# KiCad board PC110.kicad_pcb (continued)
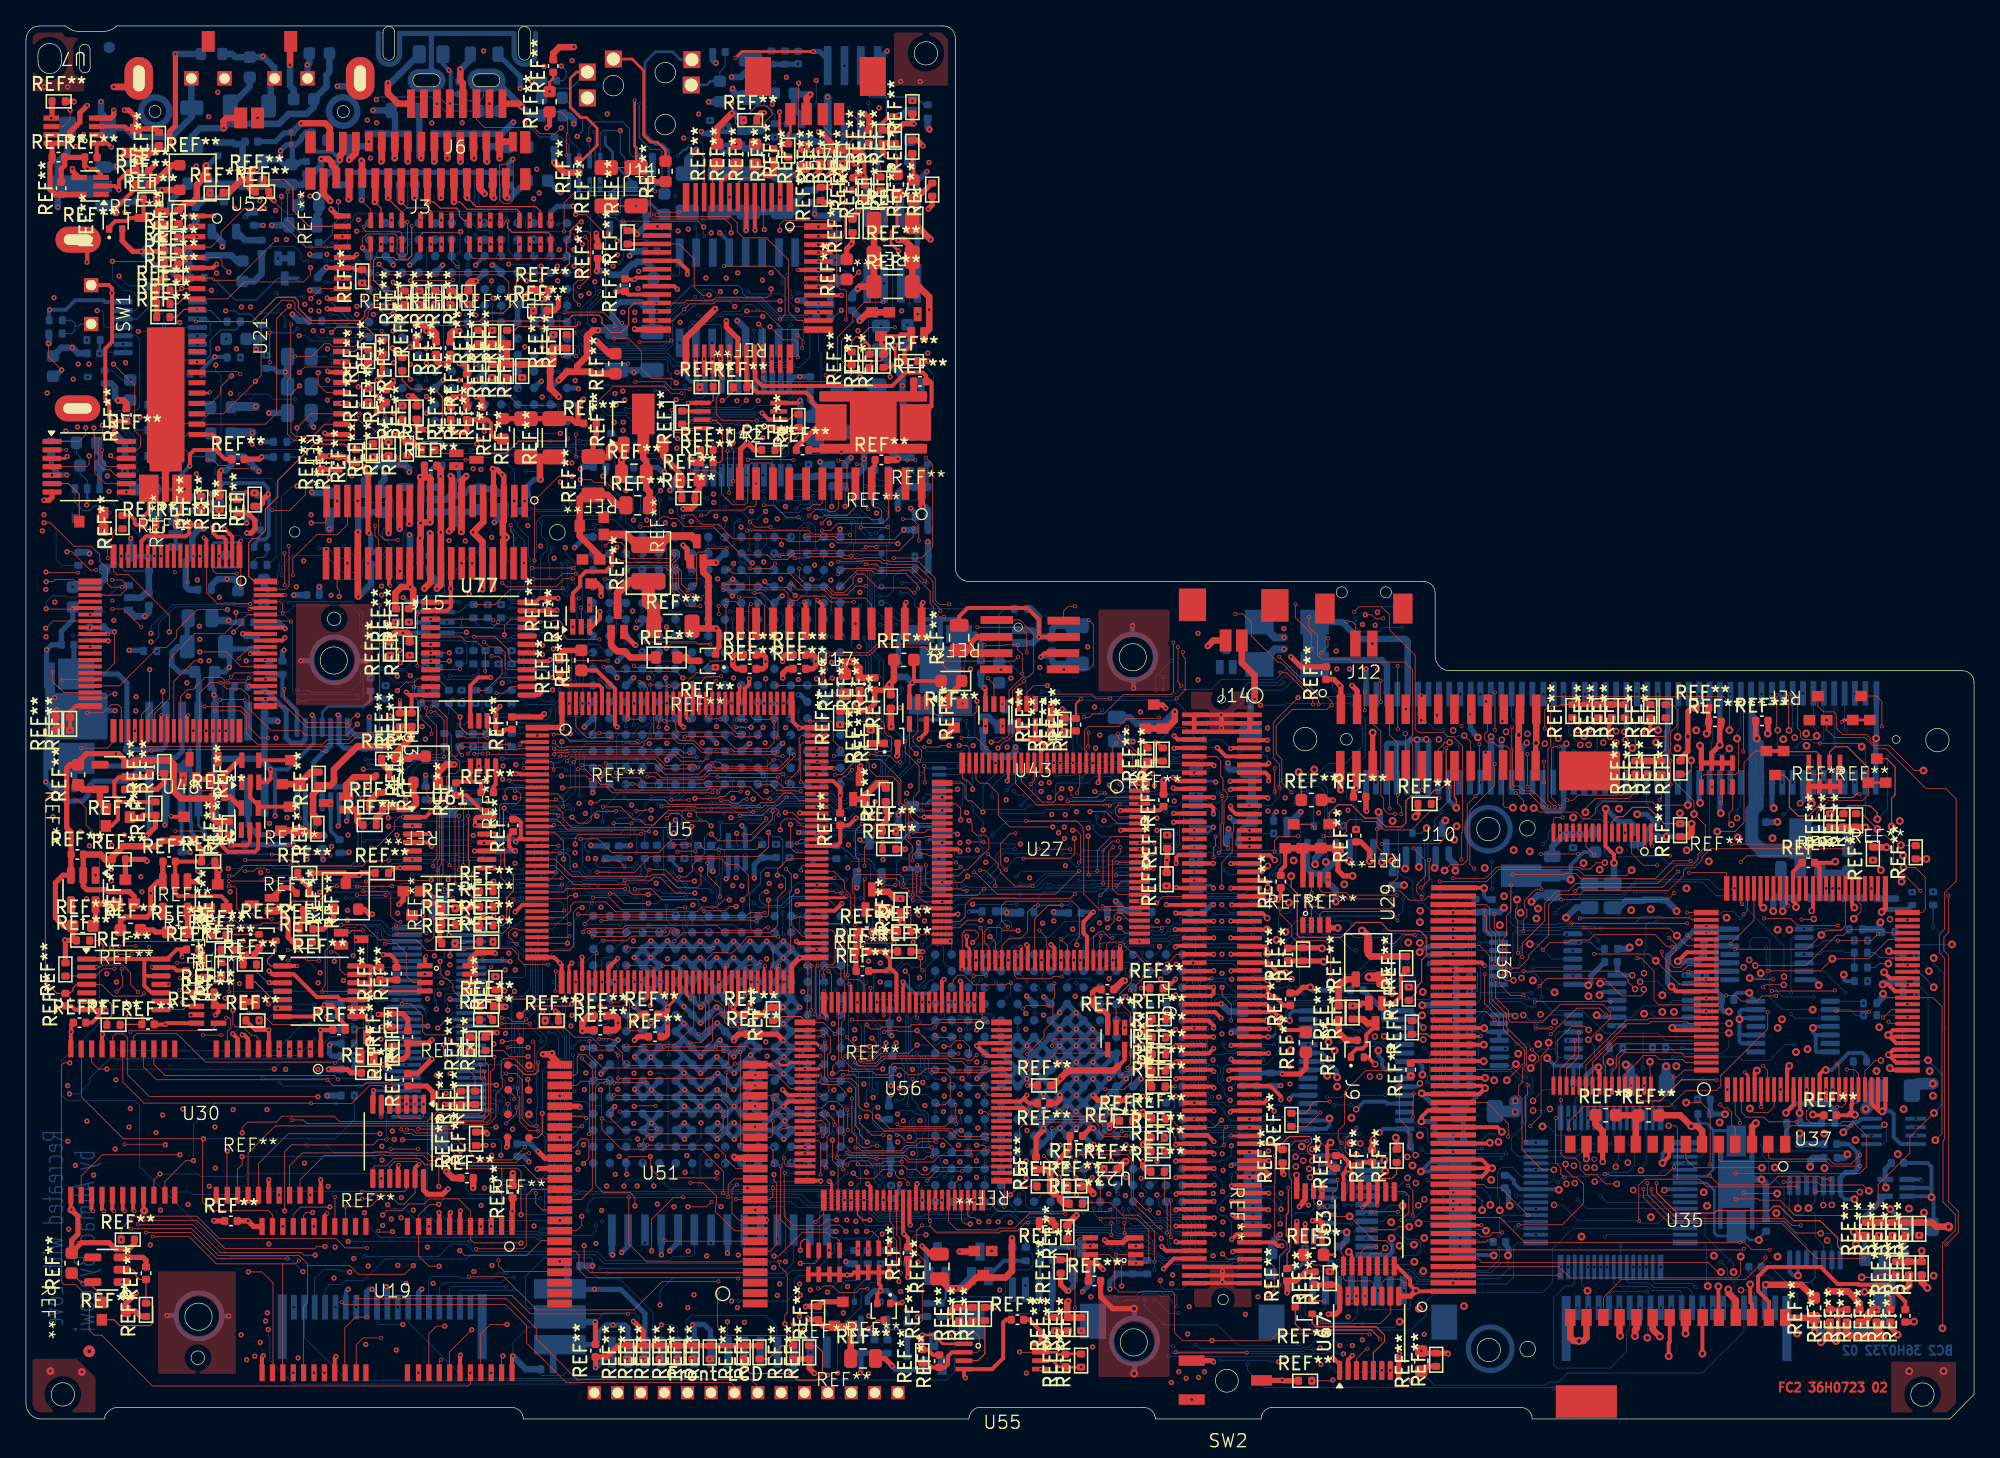
[diagram p0: board, top side]
## Routing (per net, layer and track width the routed paths; a pad name or vN(x,y) marks a point on that pad's centre or on a via; arc(x,y) is an arc through that point) (continued)
80.06,62.78 v2(71.12,62.78) ; v1(7.94,22.49) 8.68,23.23 8.68,32.03 8.15,32.56 8.15,34.69 8.9,35.44 8.9,38.25 8.56,38.59 8.56,40.84 9.98,42.26 9.98,47.44 11.41,48.87 11.41,52.87 12.17,53.63 12.26,53.63 13.1,54.47 13.1,54.99 13.36,55.25 13.85,55.25 v2(14.53,54.57) ; v2(103.14,9.46) 102.74,9.07 v2(100,9.07) ; v2(30.15,58.04) 30.72,58.04 31.24,57.52 v2(31.24,54.9) ; v1(8.65,83.81) 9.26,83.81 9.36,83.71 9.36,72.17 8.62,71.43 v2(7.73,71.43) ; v1(93.93,8.07) 91.45,8.07 90.62,8.9 90.62,10.95 88.18,13.39 v2(88.18,14.01) ; v1(28.14,15.41) 28.14,15.89 28.05,15.98 27.85,15.98 27.48,16.35 27.48,17.33 27.43,17.38 27.43,18.47 v2(27.37,18.53) ; v2(92.13,48.01) 92.2,48.08 93.1,48.08 93.79,48.77 96.03,48.77 96.36,49.1 96.69,49.1 96.83,48.96 100.79,48.96 101.08,49.25 109.34,49.25 109.73,49.64 121.27,49.64 121.45,49.82 125.76,49.82 v2(126.68,48.9) ; v2(46.89,40.84) 46.18,40.84 v2(46.16,40.86) ; v2(109.93,21.88) 110.61,22.56 115.86,22.56 v2(115.87,22.57) ; v2(64.41,45.85) 63.84,45.85 63.57,46.12 63.57,49 62.99,49.58 62.99,50.12 62.53,50.58 62.53,51.39 62.43,51.49 62.43,53.13 62.18,53.38 62.18,53.78 62.43,54.03 62.43,54.65 62.59,54.81 62.59,59.58 61.81,60.36 v2(56.89,60.36) ; v2(111.65,47.99) 110.78,47.99 110.66,47.87 v2(108.87,47.87) ; v2(61.05,91.88) 62.62,91.88 62.98,92.24 62.98,93.66 63.53,94.21 v2(64.27,94.21) ; v2(44.65,25.9) 44.65,26.13 44.72,26.2 44.72,29.5 43.83,30.39 43.83,32.92 42.73,34.02 40.17,34.02 39.89,34.3 39.89,37.16 40.25,37.52 42.89,37.52 v2(42.9,37.51) ; v2(105.46,46.63) 105.49,46.63 106.87,45.25 v2(106.87,43.98) ; v2(88.18,16.85) 87.26,17.77 84.07,17.77 83.79,18.05 80.84,18.05 80.51,18.38 80.01,18.38 79.85,18.22 77.33,18.22 76.85,17.74 75.67,17.74 75.43,17.5 72.94,17.5 72.55,17.11 v2(72.55,16.86) ; v2(59.93,98.03) 59.93,97.18 59.49,96.74 58.32,96.74 58.09,96.51 v2(58.09,94.15) ; v2(100.43,11.36) 101.38,11.36 101.83,10.91 v2(101.83,9.46) ; v1(59.65,9.53) 60.67,9.53 60.68,9.54 60.88,9.54 61.32,9.98 61.32,10.47 61.86,11.02 v2(61.86,12.99) ; v2(138.98,46.64) 138.21,46.64 138.15,46.7 135.8,46.7 135.43,47.07 v3(134.63,47.07) ; v2(25.63,77.34) 23.41,77.34 22.08,78.67 22.08,80.33 20.98,81.43 v2(18.78,81.43) ; v1(39.77,78.76) 39.77,76.04 40.55,75.26 43.23,75.26 43.65,74.84 43.65,68.28 v2(44.64,67.29) ; v2(16.89,42.22) 16.89,40.65 18.15,39.39 18.15,34.8 18.28,34.67 18.28,33.24 18.27,33.23 19.4,32.1 v2(19.4,31.66) ; v2(111.95,51.99) 112,52.04 112.84,52.04 113.27,52.47 113.27,52.71 113.44,52.88 113.44,53.25 113.72,53.53 v2(113.72,53.77) ; v2(37.2,51.99) 37.75,52.54 38.54,52.54 38.92,52.16 v2(40.66,52.16) ; v2(15.63,41.45) 15.38,41.45 15.15,41.22 15.15,34.26 v2(14.58,33.69) ; v2(42.86,55.15) 42.86,57.17 43.36,57.67 43.36,61.45 43.42,61.51 v2(43.42,62.75) ; v2(48.5,24.13) 48.5,24.65 48.79,24.94 48.79,28.85 47.64,30 v2(47.64,32.28) ; v2(58.9,36.01) 60.03,36.01 60.51,35.53 v2(60.51,34.92) ; v2(29.5,61.41) 29.73,61.64 v2(31.18,61.64) ; v2(58.09,81.7) 58.09,79.97 58.7,79.36 59.71,79.36 60.27,78.8 60.27,73.11 61.59,71.79 61.59,70.09 62.27,69.41 62.27,68.75 62.19,68.67 62.19,67.9 62.56,67.53 v2(62.56,66.06) ; v1(42.04,73.68) 42.85,73.68 43.15,73.38 43.15,71.63 42.85,71.33 42.85,67.04 41.65,65.84 41.65,64.46 42.38,63.73 42.49,63.73 43.02,63.2 43.02,61.07 ; v2(32.9,87.79) 33.73,86.96 33.73,86.21 33.47,85.95 33.47,85.72 32.9,85.15 32.9,83.18 31.49,81.77 29.39,81.77 27.72,80.1 27.72,79.79 27.17,79.24 26.94,79.24 26.36,78.66 v2(26.36,78.35) ; v1(36.03,38.76) 36.34,38.45 36.34,36.6 35.51,35.77 35.51,31.37 v2(35.69,31.19) ; v2(126.81,36.39) 127.06,36.14 128.13,36.14 130,34.27 130,33.6 v2(130.96,32.64) ; v2(141.24,48.15) 141.24,45.28 143.12,43.4 v3(144.59,43.4) ; v2(28.79,65.32) 28.4,64.93 28.01,64.93 27.9,64.82 21.52,64.82 v1(20.83,64.13) ; v2(60.91,48.17) 60.91,48.6 60.09,49.42 57.93,49.42 v2(57.91,49.44) ; v2(50.95,75.42) 51.01,75.48 v2(51.01,78.31) ; v2(63.22,29.42) 62.55,29.42 v2(62.31,29.66) ; v2(28.79,55.38) 30.47,55.38 v2(30.52,55.33) ; v2(97.99,44.9) 97.99,45.82 98.62,46.45 98.62,47.74 97.71,48.65 v2(96.54,48.65) ; v2(61.23,23.5) 61.45,23.72 61.45,25.57 61.22,25.8 60.87,25.8 60.6,26.07 60.6,30.74 60.48,30.86 v2(60.48,31.51) ; v2(136.71,14.92) 137.53,14.92 v5(139.1,16.49) ; v2(63.56,66.53) 63.56,65.17 63.47,65.08 63.47,60.22 v1(64.18,59.51) ; v2(20.53,41.45) 20.53,40.44 21.31,39.66 25.46,39.66 25.99,40.19 v2(25.99,40.67) ; v1(4.76,36.19) 4.76,36.72 5.2,37.16 5.2,41.74 v2(5.36,41.9) ; v2(58.29,51.09) 58.73,50.65 60.94,50.65 v2(60.96,50.63) ; v2(67.34,50.63) 67.68,50.63 67.78,50.73 v2(68.8,50.73) ; v2(43.48,52.84) 43.5,52.82 v2(43.5,49.22) ; v2(106.83,15.65) 104.94,15.65 104.71,15.42 104.71,13.85 105.15,13.41 105.15,7.02 v2(104.31,6.18) ; v2(116.83,36.16) 115.17,36.16 115.07,36.26 109.32,36.26 108.13,37.45 108.13,39.61 v2(107.5,40.24) ; v2(41.47,39.19) 41.76,39.19 42.06,38.89 v2(42.52,38.89) ; v2(124.89,18.17) 124.89,18.44 125.04,18.59 125.04,21.02 121.33,24.73 118.8,24.73 118.38,25.15 118.38,33.56 118.13,33.81 118.13,37.55 117.55,38.13 117.55,46.57 117.31,46.81 v2(117.31,47.17) ; v2(116.98,53.21) 114.78,53.21 114.45,52.88 114.45,52.28 113.86,51.69 v2(109.4,51.69) ; v1(6.61,44.23) 7.32,44.23 8.16,43.39 v2(8.16,35.85) ; v2(7.53,36.78) 7.53,35.64 8,35.17 8,32.18 8.48,31.7 8.48,30.79 7.59,29.9 v2(7.59,21.17) ; v2(59.46,81.82) 60.7,80.58 60.7,73.19 62.54,71.35 62.54,69.73 62.85,69.42 62.86,69.42 63.18,69.1 63.18,67.29 62.89,67 62.89,60.51 62.77,60.39 62.77,57.63 63.08,57.32 v2(63.08,55.85) 62.87,55.64 62.87,53.67 v2(62.71,53.51) ; 43.02,61.07 43,61.05 v2(42.12,61.05) ; 43.02,61.07 43.02,58.48 42.35,57.81 v2(41.88,57.81) ; v2(33.62,51.78) 33.62,52.92 32.93,53.61 31.32,53.61 31.06,53.35 v1(30.52,53.35) ; v1(22.83,83.85) 22.83,83.29 23.09,83.03 23.96,83.03 24.14,82.85 27.59,82.85 27.93,83.19 30.97,83.19 31.82,84.04 31.82,85.2 32.12,85.5 32.12,85.79 32.23,85.9 v2(32.7,85.9) ; v2(59.25,66.35) 59.25,66.94 59.13,67.06 59.13,69.57 59.31,69.75 59.31,73.26 59.43,73.38 59.43,77.37 57.44,79.36 v2(57.44,81.7) ; v2(63.87,27.48) 63.87,28.04 63.26,28.65 61.2,28.65 v2(61.18,28.67) ; v2(73.65,16.86) 73.76,16.75 78.32,16.75 79.37,17.8 79.7,17.8 80.09,18.19 80.43,18.19 80.76,17.86 83.53,17.86 84.67,16.72 87.49,16.72 87.7,16.51 88.38,16.51 88.66,16.79 89.59,16.79 90.45,15.93 91.78,15.93 92,15.71 92.26,15.71 92.78,16.23 94.99,16.23 95.32,16.56 96.18,16.56 96.23,16.61 97.5,16.61 97.87,16.98 99.73,16.98 99.86,16.85 v2(100.66,16.85) ; v2(42.52,50.08) 42.52,50.94 v1(41.27,52.19) ; 76.34,41.09 76.34,43.64 76.16,43.82 76.16,44.5 76.65,44.99 76.65,47.58 76.76,47.69 76.76,52.39 73.18,55.97 72.97,55.97 71.7,57.24 71.7,60.56 71.2,61.06 70.38,61.06 68.43,63.01 v2(68.43,63.67) ; 76.34,41.09 76.34,41.15 ; v2(59.56,65.53) 59.8,65.77 59.8,67.28 59.7,67.38 59.7,69.14 59.83,69.27 59.83,70.42 59.92,70.51 59.92,72.94 60.07,73.09 60.07,78.6 59.6,79.07 58.39,79.07 57.71,79.75 57.71,81.96 57.86,82.11 58.55,82.11 58.84,81.82 v2(58.84,81.7) ; v2(42.58,63.23) 42.35,63.46 42.29,63.46 40.66,65.09 40.65,65.09 40.2,65.54 40.2,66.18 39.21,67.17 39.21,69.27 38.11,70.37 37.17,70.37 35.04,72.5 v1(35.04,73.17) 35.04,73.55 34.94,73.65 34.12,73.65 33.89,73.42 v2(33.15,73.42) ; v2(99.58,16.28) 102.03,16.28 102.68,15.63 103.43,15.63 104.03,15.03 104.03,13.26 v2(104.02,13.25) 104.02,7.04 v2(103.49,6.51) ; v2(46.2,36.31) 45.74,36.77 45.74,52.45 45.1,53.09 45.1,58.62 44.93,58.79 44.22,58.79 43.68,59.33 43.68,62.92 42.16,64.44 42,64.44 41.83,64.61 41.83,65.69 43.35,67.21 43.35,73.69 42.89,74.15 v2(42.38,74.15) ; v2(44.49,57.97) 44.49,56.28 v2(43.36,55.15) ; v2(76.14,19.99) 76.47,20.32 77.41,20.32 77.76,19.97 79.02,19.97 79.41,20.36 79.94,20.36 80.48,19.82 v1(80.87,19.82) ; v2(35.7,101.36) 35.7,100.21 37.83,98.08 42.63,98.08 42.81,98.26 42.81,98.84 42.99,99.02 43.64,99.02 43.85,99.23 45.72,99.23 v1(45.78,99.29) ; v1(35.98,86.37) 36.69,87.08 38.78,87.08 39.15,87.45 39.15,88.32 v1(39.67,88.84) ; v2(47.86,49.49) 47.86,50.74 47.11,51.49 v2(47.11,52.23) ; v2(110.56,53.41) 112.78,53.41 113.6,54.23 114.25,54.23 114.45,54.03 v2(114.45,53.28) ; v1(44.26,25.37) 44.79,25.37 45,25.58 45,31.66 45.06,31.72 v2(45.06,32.11) ; v2(39.45,27.47) 39.46,27.48 43.11,27.48 44.16,28.53 v2(44.16,29.3) ; v2(19.58,38.22) 19.9,38.22 20.17,37.95 v2(20.17,36.13) ; v2(96.17,43.74) 96.79,43.12 96.79,41.28 97.53,40.54 v2(99.03,40.54) ; v1(13.23,41.45) 12.58,42.1 12.58,42.59 13.24,43.25 v2(13.24,48.41) ; v2(100.31,41.56) 101.47,42.72 101.47,43.72 102.07,44.32 v2(104.47,44.32) ; v2(82.76,15.42) 82.03,16.15 77.32,16.15 77.22,16.05 70.29,16.05 69.71,16.63 69.71,17.15 70.23,17.67 70.23,19.79 v2(69.79,20.23) ; v2(8.62,32.91) 8.62,32.78 8.97,32.43 11.2,32.43 v2(11.8,33.03) ; v1(56.9,64.54) 56.9,62.81 56.41,62.32 52.5,62.32 51.38,61.2 51.38,57.39 51.62,57.15 51.62,53.38 51.08,52.84 51.08,52.02 50.8,51.74 50.8,49.89 52.19,48.5 52.19,47.26 52.11,47.18 52.11,43.94 51.93,43.76 v2(51.56,43.76) ; v2(29.15,73.38) 30.36,73.38 34.22,69.52 36.7,69.52 v2(37.33,68.89) ; v2(77.57,23.22) 77.57,23.95 77.94,24.32 77.94,26.26 77.58,26.62 77.58,30.14 77.26,30.46 75.07,30.46 74.33,31.2 73.22,31.2 72.55,31.87 v2(72.55,32.11) 74.51,34.07 74.51,35.03 74.76,35.28 74.76,40.99 v2(74.67,41.08) ; v2(104.53,61.7) 104.53,61.06 105.65,59.94 v2(105.65,58.04) ; v2(34.07,46.46) 34.07,46.83 35.64,48.4 35.82,48.4 v1(36.71,49.29) ; v2(113.12,38.9) 111.77,38.9 111.24,39.43 111.24,42.44 v2(110.57,43.11) ; v2(51.31,63.52) 51.31,63.07 51.19,62.95 51.19,57.18 51.34,57.03 v2(51.34,56.72) ; v2(58.31,49.71) 60.87,49.71 v2(60.91,49.67) ; v2(27.65,36.62) 27.71,36.68 v2(27.71,40.37) ; v2(63.22,20.53) 63.05,20.53 62.88,20.7 61.02,20.7 60.76,20.96 v2(60,20.96) ; v3(134.7,19.37) 134.7,26.28 134.33,26.65 134.33,30.58 134.8,31.05 v2(134.8,32.6) ; v2(126.94,19.43) 129.34,21.83 129.34,22.95 130.2,23.82 130.47,23.82 130.59,23.94 130.72,23.94 130.9,24.12 130.9,24.39 130.57,24.72 130.57,25.62 130.94,25.99 130.94,28.38 132.57,30.01 132.57,30.99 131.83,31.73 131.83,34.92 132.05,35.14 132.05,38.31 131.85,38.51 131.85,40.23 131.95,40.33 131.95,41.34 131.85,41.44 131.85,41.59 132.08,41.82 v2(132.08,42.93) ; v2(35.37,57.66) 35.37,56.36 36.19,55.54 42.1,55.54 42.27,55.37 42.27,53.46 43.18,52.55 43.18,49.05 43.38,48.85 43.78,48.85 44.43,48.2 v2(44.43,47.17) ; v2(26.88,68.84) 26.88,69.97 24.3,72.55 v1(23.37,72.55) ; v3(119.17,46.35) 119.17,47.86 118.91,48.12 115.66,48.12 115.52,47.98 113.74,47.98 113.38,48.34 110.46,48.34 110.2,48.08 109.22,48.08 109.05,48.25 107.94,48.25 107.86,48.17 107.17,48.17 v2(106.82,48.52) ; v2(49.36,57.91) 49.36,59.37 v1(49.33,59.4) ; v2(101.72,61.45) 101,61.45 100.95,61.4 98.52,61.4 97.77,62.15 97.2,62.15 97.08,62.27 94.14,62.27 93.46,61.59 92.56,61.59 92.31,61.84 82.57,61.84 82.31,61.58 v2(81.85,61.58) ; v1(53.53,16.36) 52.78,16.36 52.46,16.68 52.46,38.09 53.45,39.08 v2(53.45,40.23) ; v5(115.33,31.12) 115.33,32.63 v2(115.35,32.65) ; v2(75.36,16.35) 79.65,16.35 79.66,16.34 82.88,16.34 84.11,15.11 v2(84.61,15.11) ; v2(35.97,36.78) 35.51,36.78 35.37,36.92 35.37,37.72 35.12,37.97 35.12,39.87 34.94,40.05 v1(34.94,41.48) ; v2(74.46,17.16) 74.45,17.17 73.36,17.17 v2(73.05,16.86) ; v2(5.87,74.67) 5.87,75.67 6.34,76.14 6.34,78.5 5.81,79.03 5.81,80.09 5.06,80.84 v1(2.75,80.84) ; v2(46.63,45.9) 46.63,47.28 v1(46.65,47.3) ; v2(86.93,12.12) 88.19,12.12 88.95,11.36 88.95,7.08 v1(89.48,6.55) ; v2(80.53,20.18) 80.02,20.69 78.41,20.69 78.26,20.84 74.73,20.84 v2(74.02,21.55) ; v2(29.71,91.93) 30.05,91.59 32.9,91.59 33.24,91.93 34.42,91.93 34.62,91.73 37.47,91.73 37.67,91.93 40.77,91.93 41.62,92.78 41.62,94.8 40.11,96.31 v1(39.34,96.31) ; v2(9.69,34.81) 9.11,34.81 8.36,34.06 8.36,32.69 8.98,32.07 8.98,30.9 v2(9.01,30.87) ; v2(66.93,27.04) 66.93,28.35 67.03,28.45 v1(67.03,28.98) ; v1(12.08,23.89) v1(12.08,32.09) ; v2(103.65,14.57) 103.65,8.96 101.74,7.05 98.89,7.05 98.09,7.85 98.09,9.88 97.3,10.67 95.26,10.67 94.43,9.84 94.43,7.96 93.89,7.42 90.9,7.42 90.08,8.24 90.08,10.88 88.35,12.61 86.82,12.61 86.45,12.98 86.45,14.52 85.56,15.41 84.24,15.41 v2(83.52,16.13) ; v1(43.12,26.67) 41.93,26.67 39.14,23.88 38.39,23.88 37.98,24.29 v2(37.11,24.29) ; v2(12.98,35.16) 12.96,35.14 12.96,32.7 12.73,32.47 v2(12.73,31.12) ; v2(47.26,56.8) 47.03,56.57 46.46,56.57 46.11,56.92 46.11,58.43 45.29,59.25 44.43,59.25 43.87,59.81 43.87,61.1 44.64,61.87 44.64,62.62 44.41,62.85 44.07,62.85 42.15,64.77 v2(42.13,64.77) ; v2(56.48,48.87) 56.48,45.39 56.03,44.94 56.03,43.69 57.35,42.37 v2(58.55,42.37) ; v1(38.65,68.85) 38.65,67.35 39.79,66.21 39.79,65.11 41.76,63.14 41.76,59.16 42.13,58.79 v2(42.13,58.45) ; v2(39.29,22.57) 40.02,22.57 40.48,22.11 40.48,20.7 43.64,17.54 44.91,17.54 45.39,18.02 v1(45.39,18.85) ; v1(53.28,64.74) 51.15,64.74 50.96,64.93 50.96,66.07 50.37,66.66 v2(49.92,66.66) ; v2(42.71,44.7) 41.54,44.7 v2(41.02,44.18) ; v2(105.1,26.85) 105.08,26.87 105.08,31.7 104.58,32.2 104.58,33.1 105.09,33.61 105.09,37.61 104.83,37.87 104.83,40.29 104.84,40.29 105.03,40.48 v2(105.03,41.08) ; v2(26.86,26.67) 26.32,26.13 26.32,20.89 26.39,20.82 26.39,16.51 26.61,16.29 26.61,12.59 26.36,12.34 v1(26.36,11.79) ; v2(68.32,39.99) 68.36,40.03 68.66,40.03 68.72,40.09 69.48,40.09 69.61,40.22 70.8,40.22 71,40.02 71,36.18 71.56,35.62 73.27,35.62 73.4,35.49 73.4,35.18 73.23,35.01 71.84,35.01 71.5,34.67 71.5,32.93 71.55,32.88 v2(71.55,32.11) ; v2(50.31,41.77) 50.31,39.95 50.24,39.88 50.24,37.61 v2(50.2,37.57) ; v2(18.93,38.55) 18.93,43.48 v2(18.94,43.49) ; v2(34.53,60.28) 34.53,61.24 33.71,62.06 v2(30.15,62.06) ; v2(8.04,29.84) v1(8.04,23.92) ; v2(11.17,46.46) 11.2,46.43 11.2,42.9 v1(8.93,40.63) ; v2(64.89,51.25) 64.89,49.82 65.72,48.99 v2(66.26,48.99) ; v2(33.86,73.93) 33.05,73.93 32.73,73.61 32.73,73.34 33.13,72.94 33.13,71.7 34.74,70.09 37.32,70.09 37.9,69.51 37.9,67.64 37.58,67.32 35.2,67.32 34.36,66.48 v2(34.36,65.94) ; v2(29,78.07) 28.64,78.43 27.44,78.43 v1(27.04,78.83) ; v3(100.33,29.05) 100.33,31.18 100.91,31.76 100.91,31.82 102.46,33.37 103.46,33.37 104.9,34.81 104.9,37.49 104.33,38.06 104.33,40.34 v2(104.68,40.69) ; v2(64.08,13.14) 63.9,13.14 63.58,13.46 63.58,14.99 v1(63.23,15.34) ; v2(17.72,32.15) 17.96,31.91 v2(17.96,30.71) 17.96,30.47 18.17,30.26 18.17,14.03 v1(18.71,13.49) ; v2(52.88,48.29) v2(52.88,50.36) ; v2(29.97,24.25) 29.97,23.06 29.81,22.9 29.81,19.74 31.04,18.51 32.42,18.51 33.4,17.53 33.4,17.16 34.07,16.49 34.07,11.02 v2(34.13,10.96) ; v2(47.38,45.1) 47.38,50.31 46.59,51.1 46.59,52.86 47.35,53.62 v2(47.35,53.93) ; v2(58.6,49.06) 58.59,49.05 v2(58.59,47.91) ; v1(7.93,31.04) 7.63,31.34 7.63,33.86 7.36,34.13 6.83,34.13 6.45,33.75 5.25,33.75 4.8,34.2 4.8,35.22 5.54,35.96 5.54,40.11 5.9,40.47 5.9,42.66 5.55,43.01 5.55,49.93 5.96,50.34 5.96,68.5 v2(5.96,68.5) ; v2(67.33,12) 67.33,11.73 66.5,10.9 66.5,4.46 64.95,2.91 64.14,2.91 63.45,3.6 63.45,4.52 61.9,6.07 55.77,6.07 54.8,7.04 v1(54.8,8.58) ; v2(29.77,45.72) v2(29.77,43.12) 30.11,43.12 30.2,43.03 31.2,43.03 32.55,44.38 v2(35.27,44.38)
  FC1 w0.08: v2(55.27,100.09) 55.27,98.82 v2(54.7,98.25)
  FC1 w0.1: 6.58,98.78 6.58,98.84 ; 6.58,98.78 v1(6.58,98) ; 6.58,98.78 6.58,99.61 6.78,99.81 8.88,99.81 9.19,99.5 10.64,99.5 11.02,99.88 15.66,99.88 16.04,100.26 v2(17.84,100.26) ; v1(52.58,101.5) 52.37,101.29 47.73,101.29 47.01,100.57 47.01,93.5 v2(47,93.49) ; v2(63.83,94.9) 63.62,95.11 62.1,95.11 v1(61.94,94.95)
  FC1 w0.15: v2(75.1,57.75) 76.13,57.75 76.47,58.09 77.05,58.09 77.9,57.24 79.55,57.24 80.68,56.11 80.68,53.69 v2(79.98,52.99) ; v2(81.26,55.5) 81.26,57.19 80.7,57.75 v2(79.95,57.75)
  FC1 w0.2: v1(3.7,101.5) 4.14,101.5 4.92,102.28 4.92,102.6 7.12,104.8 7.13,104.8 7.73,105.4 9.57,105.4 10.6,104.37 13.14,104.37 14.31,103.2 14.67,103.2
  FC1 w0.3: v10(69.59,99.37) 69.24,99.72 69.24,99.73 68.99,99.98 68.99,100.27 68.28,100.98 v2(68.28,101.6) ; v3(144.16,6.49) 143.31,5.64 139.95,5.64 139.12,4.81 130.03,4.81 129.54,4.32 127.05,4.32 v3(126.53,4.84) ; v3(132.81,10.37) 133.39,9.79 137.68,9.79 138.37,10.48 140.13,10.48 140.82,9.79 v3(141.62,9.79) ; v3(139.42,6) 138.72,5.3 129.39,5.3 v3(129.13,5.04) ; v3(145.43,7.5) 142.64,10.29 140.97,10.29 140.33,10.93 137.92,10.93 137.27,10.28 135.31,10.28 134.74,10.85 132.19,10.85 131.79,10.45 130.59,10.45 v3(130.36,10.22) ; v2(75.21,53.39) 76.27,52.33 v2(76.41,52.33)
  FC1 w0.5: v3(127.83,6.58) 129.1,7.85 141.95,7.85 v2(142.54,8.44) ; v3(125.85,6.35) 126.29,5.91 v3(138.26,5.91) ; v3(138.83,9.84) 138.51,9.52 138.5,9.52 138.19,9.21 131.89,9.21 v3(131.12,9.98)
  IC1 w0.05: v1(15.76,79.04) 10.21,79.04 9.12,80.13 8.15,80.13 ; v1(10.74,21.13) 25.63,21.13 26.27,20.49 30.84,20.49 32,21.65 32.85,21.65 32.91,21.6 45.55,21.6 47.89,19.25 49.01,19.25 50.31,17.95 61.73,17.95 61.88,18.1 v1(61.88,18.31) ; v1(34.46,44.96) 34.52,45.02 35.61,45.02 36.23,45.64 43.9,45.64 43.95,45.69 50.4,45.69 50.87,45.22 51.82,45.22 52.04,45.44 52.04,46.01 52.27,46.24 53.64,46.24 v1(54.75,45.13) ; v3(134.63,47.07) 136.12,45.58 140.38,45.58 143.44,42.52 143.44,42.04 142.6,41.2 133.06,41.2 132.48,41.78 125.81,41.78 124.83,40.8 118.75,40.8 117.7,41.85 112.08,41.85 110.73,43.2 106.03,43.2 105.37,42.54 104.77,42.54 104.72,42.49 104.26,42.49 104.2,42.54 100.58,42.54 100.35,42.31 98.17,42.31 97.95,42.53 96.88,42.53 96.59,42.24 78.52,42.24 78.19,42.57 75.21,42.57 74.94,42.84 74.94,43.45 75.38,43.89 78.92,43.89 79.27,44.24 81.09,44.24 81.35,44.5 81.35,45.54 80.75,46.14 79.64,46.14 79.52,46.26 79.52,46.85 79.26,47.11 74.2,47.11 73.92,47.39 72.14,47.39 70.7,45.95 69.82,45.95 69.82,45.95 60.76,45.95 60.34,46.36 57.99,46.36 57.17,47.18 51.74,47.18 v1(51.11,46.55) ; v1(62.11,57.09) 62.02,57.09 60.78,55.85 42.02,55.85 41.55,55.38 37.93,55.38 36.65,54.1 v1(33.44,54.1) ; v1(62.04,58.31) 61.5,57.77 58.64,57.77 58.62,57.79 57.96,57.79 57.94,57.77 56.48,57.77 56.32,57.93 48.66,57.93 47.96,57.23 v1(47.96,57.12) ; v1(6.61,44.23) 10.5,44.23 11.76,42.97 13.58,42.97 14.64,41.92 15.84,41.92 16.92,43 16.92,44.91 18.98,46.97 29.3,46.97 30.03,46.24 34.8,46.24 35.23,45.81 43.73,45.81 43.86,45.94 48.61,45.94 49.34,46.67 50.29,46.67 50.76,46.2 51.46,46.2 52.09,46.83 54.88,46.83 56.9,44.81 60.29,44.81 61.19,45.71 71.97,45.71 72.59,45.09 v1(72.59,44.47) ; v3(107.37,38.28) 107.32,38.33 96.4,38.33 96.29,38.22 94.79,38.22 93.82,39.19 90.94,39.19 90.25,39.88 88.2,39.88 87.81,40.27 86.55,40.27 85.32,39.04 82.77,39.04 82.4,38.67 82.36,38.67 81.99,38.3 80.53,38.3 79.61,37.38 77.39,37.38 76.66,38.11 75.32,38.11 75.15,37.94 71.47,37.94 69.4,40.01 63.96,40.01 63.31,40.66 61.84,40.66 61.03,41.47 58.95,41.47 58.75,41.27 58.75,37.96 58.39,37.6 38.96,37.6 38.27,38.29 37.65,38.29 36.52,39.42 30.36,39.42 29.36,38.42 28.54,38.42 26.85,40.11 26.06,40.11 25.58,40.59 v1(22.62,40.59) ; v1(40.56,56.19) 40.63,56.26 60.03,56.26 60.8,57.03 v1(60.89,57.03) ; v1(35.87,67.94) 35.8,68.01 35.51,68.01 35.12,68.4 35.12,68.72 34.83,69.01 33.45,69.01 33.12,68.68 33.12,66 33.45,65.67 33.45,63.36 33.29,63.2 30.11,63.2 29.56,63.75 28.69,63.75 28.43,63.49 v1(27.39,63.49) ; v1(22.9,43.1) 22.99,43.19 23.58,43.19 23.88,42.89 28.41,42.89 28.49,42.97 29.31,42.97 29.71,42.57 36.71,42.57 37.12,42.17 46.73,42.17 48.32,43.76 62.86,43.76 v1(63.35,44.25) ; v1(93.93,8.07) 94.36,8.5 v3(107.28,8.5) ; v1(7.17,88.06) 8.16,87.07 8.16,80.14 8.15,80.13 ; v1(36,21.09) 36.42,21.09 36.7,21.37 39.47,21.37 42.4,18.44 45.57,18.44 v1(46.06,17.95) ; v1(46.21,71.54) 46.11,71.64 37.93,71.64 37.38,72.19 37.38,78.79 36.68,79.49 31.26,79.49 30.89,79.86 30.89,81.11 30.84,81.16 v1(30.84,81.37) ; v3(129.23,17.47) 129.23,18.19 128.86,18.56 122.18,18.56 121.45,17.83 120.25,17.83 119.4,18.68 119.01,18.68 118.92,18.59 118.14,18.59 117.37,17.82 107.68,17.82 107.21,17.35 97.41,17.35 96.82,17.94 94.24,17.94 93.43,18.75 90.34,18.75 89.8,19.29 84.29,19.29 84.12,19.12 72.5,19.12 v1(71.94,18.56) ; v1(3.64,80.13) 8.15,80.13 ; v1(14.58,19.33) 14.58,18.66 16.15,17.09 27.94,17.09 28.57,16.46 28.8,16.46 31.03,14.23 57.17,14.23 58.05,13.35 v1(58.05,10.41) ; v3(98.03,49.85) 97.97,49.91 95.09,49.91 95.03,49.85 92.51,49.85 92.25,49.59 89.51,49.59 88.91,50.19 87.43,50.19 87.19,50.43 85.72,50.43 85.68,50.39 67.1,50.39 66.54,50.95 65.85,50.95 65.33,50.43 v1(65.33,50.32) ; v1(24.88,43.68) 25.6,43.68 25.73,43.55 29.4,43.55 30.02,42.93 37.36,42.93 37.47,42.82 v1(37.67,42.82) ; v1(62.02,65.9) 62.02,66 61.21,66.81 57.6,66.81 57.53,66.88 52,66.88 51.54,66.42 41.01,66.42 40.97,66.38 40.73,66.38 v1(40.68,66.33) ; v3(109.27,42.27) 108.83,41.83 105.29,41.83 104.89,41.43 101.95,41.43 101.62,41.76 99.68,41.76 99.22,41.3 97.26,41.3 96.69,41.87 86.86,41.87 86.79,41.8 78.01,41.8 77.68,42.13 73.14,42.13 72.25,43.02 71.44,43.02 70.97,43.49 70.97,44.5 70.01,45.46 61.39,45.46 60.6,44.67 48.33,44.67 47.73,45.27 36.54,45.27 35.77,44.5 32.93,44.5 32.8,44.63 24.05,44.63 v1(23.54,44.12) ; 14.58,31.13 v1(14.59,31.13) 14.59,31.18 ; v1(68.64,18.12) 67.94,17.42 38.47,17.42 36.12,19.77 29.25,19.77 28.55,19.07 26.72,19.07 26,19.79 21.54,19.79 v1(21.46,19.71) ; v1(62.08,67.32) 62.8,66.6 62.8,65.76 62.35,65.31 61.06,65.31 60.9,65.47 39.54,65.47 38.65,66.36 v1(38.65,68.85) ; v1(4.66,40.08) 12.57,40.08 13.24,39.41 v1(13.24,38.52) ; v1(107.7,6.52) 89.51,6.52 v1(89.48,6.55) ; v1(61.16,73.76) 61.09,73.83 55.87,73.83 v1(54.47,75.23) ; v1(12.08,23.89) 12.83,23.14 31.98,23.14 32.99,24.15 40.27,24.15 40.84,23.58 63.74,23.58 64.01,23.85 64.86,23.85 65.17,24.16 65.17,24.21 65.93,24.97 v1(66.62,24.97) ; v1(62.06,70.31) 62.06,70.43 61.09,71.4 55.6,71.4 55.09,70.89 55.09,68.74 v1(55.08,68.73) 55.02,68.79 53.1,68.79 50.93,70.96 48.65,70.96 47.81,70.12 v1(47.81,69.27) ; v3(100.8,28.4) 100.8,29.3 100.32,29.78 98.59,29.78 98.37,30 96.87,30 95.86,28.99 95.29,28.99 92.66,31.62 90.7,31.62 88.68,29.6 83.38,29.6 83.33,29.56 68.23,29.56 67.53,30.26 65.92,30.26 65.17,29.51 v1(65.17,29.35) ; v1(15.59,42.42) 16.33,43.16 16.33,45.57 17.93,47.17 30.07,47.17 30.74,46.5 30.86,46.5 30.93,46.44 31.5,46.44 31.56,46.5 34.86,46.5 35.34,46.02 43.53,46.02 v1(43.97,46.46) ; v1(41.2,94.54) 41.2,91.98 40.56,91.34 34.6,91.34 33.38,90.12 v1(33.38,86.44) ; v1(33.84,67.67) 34.04,67.67 37.11,64.6 52.51,64.6 52.94,64.17 61.53,64.17 v1(62,64.64) ; v1(12.51,55.71) 12.67,55.71 13.37,55.01 30.13,55.01 33.26,58.14 33.26,58.68 34.47,59.89 38.2,59.89 39.02,60.71 40.07,60.71 40.55,60.23 v1(40.88,60.23) ; v1(74.16,15.2) 73.08,14.12 70.18,14.12 69.88,13.82 68.22,13.82 68.2,13.8 68.16,13.8 68.06,13.7 63.93,13.7 63.69,13.94 63.67,13.94 v1(63.16,14.45) ; v1(29.61,80.11) 29.61,79.85 30.03,79.43 30.03,78.81 30.81,78.03 31.68,78.03 32.63,77.08 32.63,74.8 33.27,74.16 33.27,72.21 33.87,71.61 35.96,71.61 38.22,69.35 38.22,65.7 38.65,65.27 56.17,65.27 v1(56.9,64.54) ; v1(13.5,37.9) 5.48,37.9 4.76,37.18 v1(4.76,36.19) ; v1(39.79,58.9) 39.54,58.9 39.44,59 35.68,59 31.81,55.13 31.81,50.31 32.33,49.79 35.57,49.79 36.57,48.79 38.08,48.79 38.76,48.11 41.71,48.11 42.69,49.09 43.83,49.09 45.08,47.84 48.43,47.84 48.9,47.37 57.72,47.37 57.91,47.56 62.96,47.56 63.61,48.21 65.92,48.21 66.26,47.87 73.27,47.87 74.13,48.73 75.93,48.73 76.75,49.55 80.37,49.55 82.15,47.77 84.65,47.77 85.04,47.38 85.04,46.58 87.1,44.52 109.15,44.52 109.74,45.11 110.69,45.11 112.34,43.46 114.99,43.46 115.27,43.74 v3(115.83,43.74) ; v1(69.52,81.51) 68.11,80.1 68.11,73.8 65.52,71.21 v1(65.52,69.8) ; v1(53.28,64.74) 53.23,64.79 38.58,64.79 38.05,65.32 38.05,69.04 35.88,71.21 32.74,71.21 29.36,74.59 29.17,74.59 27.66,76.1 v1(27.54,76.1) ; v3(100.33,29.05) 98.79,29.05 98.05,29.79 97.02,29.79 96.04,28.81 94.84,28.81 92.24,31.41 91.34,31.41 89.3,29.37 84.51,29.37 84.48,29.34 83.37,29.34 83.36,29.33 67.69,29.33 66.93,30.09 66.41,30.09 65.7,29.38 65.7,28.99 65.41,28.7 v1(64.98,28.7) ; v1(53.63,78.49) 51.67,78.49 47.67,74.49 47.67,70.99 47.21,70.53 40.21,70.53 39.51,69.83 39.51,67.99 39.64,67.86 v1(39.64,67.27) ; v1(64.9,35.28) 64.9,34.6 64.61,34.31 42.86,34.31 v1(42.04,35.13) ; v1(42.83,35.58) 42.31,36.1 41.4,36.1 40.72,36.78 17.63,36.78 17.56,36.85 v1(16.73,36.85) ; v1(55.96,65.97) 55.51,65.97 54.96,66.52 52.44,66.52 51.59,65.67 39.98,65.67 38.99,66.66 38.99,68.35 39.13,68.49 39.13,70.31 39.82,71 46.82,71 47.1,71.28 47.1,77.09 46.45,77.74 44.75,77.74 43.9,78.59 v1(43.9,79.5)
  IC1 w0.2: v1(51.81,100.56) 50.98,100.56 49.8,101.74 47,101.74 45.1,99.84 43.45,99.84 v1(42.45,98.84)
  IC1 w0.4: 19.31,63.32 20.47,63.32 v1(20.64,63.49) ; 19.31,63.32 18.8,63.32 ; 19.31,63.32 18.8,62.81 ; v1(26.41,68.27) 26.41,67.43 25.94,66.96 20,66.96 18.97,67.99 18.97,70.01 17.95,71.03 16.99,71.03 ; 16.99,71.03 16.24,71.03 ; 16.99,71.03 16.94,71.03 16.61,70.7 ; 18.23,63.32 18.8,63.32 ; 18.23,63.32 18.29,63.32 18.8,62.81 ; 18.23,63.32 v1(14.9,63.32) ; 18.8,63.32 18.8,62.55 ; 16.24,70.33 16.24,68.23 16.2,68.19 16.2,64.47 15.05,63.32 v1(14.9,63.32) ; 16.24,70.33 16.61,70.7 ; 16.24,70.33 16.24,70.34 15.55,71.03 ; 16.24,70.33 16.24,71.03 ; v1(6.23,34.3) 6.2,34.33 4.15,34.33 3.84,34.64 3.84,40.78 5.91,42.85 5.91,44.87 7.17,46.13 9.5,46.13 10.73,47.36 10.73,52.95 11.66,53.88 11.66,58.72 12.15,59.21 12.15,61.79 13.68,63.32 v1(14.9,63.32) ; 16.24,71.03 15.55,71.03 ; 16.24,71.03 16.58,70.7 16.61,70.7 ; 15.55,71.03 12.81,71.03 12.36,71.48 v1(6.4,71.48) 3.21,71.48 1.86,72.83 1.86,74.16 3.11,75.41 6.22,75.41 v1(6.81,76) ; 18.8,62.55 18.8,62.81 ; 18.8,62.55 18.8,60.71 19.31,60.2 v1(19.94,60.2) ; v1(26.1,73.38) 26.1,74.59 26.52,75.01 26.52,76.11 27.35,76.94 27.86,76.94 28.44,76.36 v1(28.44,76.1) ; v1(3.58,96.36) 4.95,97.73 4.95,98.44 v1(4.43,98.96) ; v1(50.61,70.13) v1(50.61,67.34) ; v1(3.14,72.75) 3.86,73.47 11.73,73.47 13.05,72.15 13.07,72.15
  IC1 w0.5: v1(62.81,86.59) 62.71,86.59 59.62,83.5 v1(59.62,80.32) ; v1(77.14,53.34) 77.14,55.05 77.71,55.62 82.47,55.62 82.91,55.18 82.91,54.65 83.07,54.49 v1(85.84,54.49) ; v1(63.99,40.94) 64.08,41.03 66.99,41.03 67.33,40.69 88.01,40.69 88.4,40.3 94,40.3 94.9,39.4 96.39,39.4 96.77,39.02 105.3,39.02 105.44,39.16 v3(107.4,39.16)
  IC1 w0.6: 96.49,31.83 96.49,31 v5(96.52,30.97) ; 14.03,34.25 12.03,34.25 ; 14.03,34.25 14.03,31.68 14.58,31.13 ; 14.03,34.25 17.63,34.25 17.9,34.52 v1(18.72,34.52) ; 12.03,34.25 12.03,35.57 v8(12.04,35.58) ; 12.03,34.25 7.55,34.25 7.42,34.38 6.31,34.38 v1(6.23,34.3) ; v5(114.99,52.71) 114.87,52.83 114.87,53.86
  IC1 w0.7: v1(27.93,68.26) 27.94,68.27 27.94,69.95 27.97,69.98 ; 13.07,72.15 19.18,72.15 20.61,70.72 22.64,70.72 23.38,69.98 ; 27.97,69.98 29.43,69.98 29.98,70.53 31.45,70.53 32.03,69.95 35.25,69.95 35.25,69.93 v1(36.08,69.1) ; 27.97,69.98 23.38,69.98 ; 23.38,69.98 v1(23.38,68.6) ; 114.87,53.86 114.16,54.57 101.14,54.57 98.75,56.96 v1(90.28,56.96)
  IC1 w0.8: v3(100.23,26.45) 100.18,26.4 100.18,25.3 98.59,23.71 ; v1(90.27,60.54) 88.85,61.96 65.97,61.96 v1(64.23,63.7)
  IC1 w1: v3(104.17,28.4) 102.62,28.4 102.51,28.51 102.51,29.88 101.59,30.8 98.81,30.8 97.78,31.83 96.49,31.83 ; v1(17.7,78.02) 18.19,78.51 v1(23.22,78.51) ; v1(96.14,23.71) 98.59,23.71
  IC2 w0.05: v1(96.61,15.03) 96.26,15.03 95.97,15.32 95.93,15.32 95.92,15.31 95.55,15.31 94.99,14.75 94.99,14.34 92.67,12.02 91.09,12.02 90.82,12.29 90.27,12.29 89.25,13.31 89.25,15.04 89.09,15.2 89.09,16.3 88.81,16.58 88.22,16.58 88,16.36 84.08,16.36 83.92,16.52 83.92,17.42 83.55,17.79 82.8,17.79 82.58,18.01 69.79,18.01 68.04,19.76 53.72,19.76 v1(53.21,20.27) ; v1(49.41,35.46) 49.89,35.94 49.89,43.28 50.58,43.97 50.54,44.01 50.54,51.59 52.45,53.5 52.45,58.15 58.13,63.83 v1(58.13,64.72) ; v1(2.75,80.84) 4.92,80.84 6.62,79.14 6.62,77.42 8.31,75.73 9.07,75.73 10.62,74.18 15.93,74.18 17.57,72.54 17.57,71.16 18.67,70.06 18.67,51.07 19.38,50.36 19.38,46.96 19.69,46.65 19.69,43.52 v1(22.62,40.59) ; v1(56.44,84.37) 57.17,83.64 59.33,83.64 67.94,75.03 67.94,71.48 67.77,71.31 67.77,69.76 67.95,69.57 67.95,68.81 67.96,68.8 67.96,68.75 68.05,68.66 68.05,68.32 68.04,68.31 68.04,68.27 67.96,68.19 67.96,66.9 66.34,65.28 66.34,61.53 69.14,58.73 76.19,58.73 77.74,57.18 77.74,54.78 81.66,50.86 89.55,50.86 91.22,52.53 93.29,52.53 94.92,54.16 96.04,54.16 96.94,55.06 99.51,55.06 100.2,54.37 102.3,54.37 103.06,53.61 103.06,51.82 101.29,50.05 v3(99.23,50.05) ; v1(46.27,18.84) 46.27,25.32 47.41,26.46 47.41,53.74 48.16,54.49 51.09,54.49 51.85,55.25 51.85,66.54 53.87,68.56 v1(53.87,69.36) ; v1(58.19,67.4) 57.52,67.4 54.29,70.63 54.29,71.41 53.82,71.88 51.82,71.88 51.11,71.17 51.11,69.93 50.62,69.44 50.62,68.58 50.3,68.26 50.3,60.11 50.03,59.84 49.98,59.84 49.92,59.78 48.63,59.78 46.62,57.77 45.64,57.77 44.81,56.94 44.81,46.37 42.95,44.51 42.95,42.5 43.58,41.87 43.58,39.4 44.49,38.49 44.49,34.33 42.14,31.98 v1(42.03,31.98) ; v1(56.83,66.05) 56.1,65.32 52.91,65.32 52.1,64.51 52.1,54.95 51.27,54.12 49.3,54.12 48.73,53.55 48.73,51.72 47.78,50.77 47.78,42.48 47.94,42.32 v1(47.94,40.42) ; v1(57.18,45.2) 57.18,45.69 57.72,46.23 59.81,46.23 60.06,46.48 60.06,47.22 59.59,47.69 56.98,47.69 56.54,48.13 56.54,48.82 57.63,49.91 57.63,52.44 57.39,52.68 55.78,52.68 55.42,53.04 55.42,53.87 57.1,55.55 63.1,55.55 64.7,57.15 64.7,68.85 63.59,69.96 63.59,70.46 63.54,70.51 63.54,70.55 62.76,71.33 60.34,71.33 57.42,74.25 57.42,76.46 57.1,76.78 56.58,76.78 56.18,77.18 53.34,77.18 52.33,78.19 52.33,84 54.06,85.73 v1(54.59,85.73) ; v1(70.84,19.83) 70.84,20.46 71.08,20.7 71.08,21.27 70.16,22.19 66.45,22.19 66.25,21.99 50.84,21.99 49.06,23.77 49.06,24.26 49.04,24.29 49.04,37.12 49.67,37.75 49.67,42.38 49.33,42.72 49.33,46.28 49.02,46.59 49.02,51.73 v1(49.36,52.07) ; v1(64.24,64.64) 64.24,65.5 63.46,66.28 60.16,66.28 ; v1(33.6,99.89) 33.6,99.84 35.44,98 51.3,98 51.47,98.17 51.96,98.17 52.08,98.29 68.09,98.29 v1(69.55,96.83) ; v1(51.99,42.36) 51.99,51.23 52.63,51.87 52.63,56.87 53.45,57.69 58.24,57.69 58.77,57.16 58.77,56.85 59.27,56.35 59.59,56.35 60.16,56.92 60.16,66.28 ; 141.06,30.36 141.06,36.76 140.32,37.5 140.32,39.52 142.53,41.73 143.02,41.73 143.66,42.37 143.66,43.47 v3(144.41,44.22) ; 141.06,30.36 141.06,30.06 138.93,27.93 137.54,27.93 137.37,27.76 135.27,27.76 133.25,25.74 115.86,25.74 114.76,26.84 v3(114.76,27.35) ; 141.06,30.36 141.06,30.46 141.05,30.47 ; v1(28.28,87.6) 25.98,87.6 24.44,86.06 24.44,84.64 v1(23.53,83.73) ; v1(46.89,84.65) 47.51,84.65 48.38,83.78 48.38,75.41 49.61,74.18 50.33,74.18 50.33,74.19 50.7,74.56 51.45,74.56 51.7,74.31 56.05,74.31 60.16,70.2 60.16,66.28 ; v1(6.52,74.24) 6.65,74.11 8.64,74.11 8.81,73.94 8.81,67.78 10.26,66.33 10.26,47.45 12.02,45.69 12.02,40.94 11.84,40.76 v6(11.84,38.31) ; v1(38.65,26.17) 38.76,26.17 39.45,26.86 39.45,26.87 39.45,30.15 39.16,30.43 37.9,30.43 37.61,30.72 36.07,30.72 35.49,31.3 35.49,32.94 35.99,33.44 38.15,33.44 39.46,34.75 39.46,55.81 38.66,56.61 38.66,62.53 42.87,66.74 42.87,71.11 41.69,72.29 41.69,74.14 42.64,75.09 42.64,76.88 43.9,78.14 v1(43.9,79.5) ; v1(45.35,24.08) 46.1,24.83 46.1,26.86 46.47,27.23 46.47,41.02 47.17,41.72 47.17,54.21 47.4,54.44 47.4,54.48 47.7,54.78 50.97,54.78 51.69,55.5 51.69,68.12 v1(53.14,69.57) ; v1(23.37,72.55) 22.48,72.55 21.75,73.28 21.75,84.64 21.94,84.83 v1(21.94,85.44) ; v1(36.69,29.08) 37.31,29.08 37.53,29.3 37.53,29.98 37.5,30.01 37.5,30.03 37.29,30.24 34.59,30.24 34.26,30.57 34.26,32.76 35.33,33.83 37.75,33.83 38.27,34.35 38.27,70.2 41.27,73.2 41.27,74.55 41.83,75.11 41.83,86.25 42.77,87.19 43.64,87.19 44.89,85.94 48.18,85.94 48.41,85.71 50.56,85.71 52.12,84.15 52.12,78.02 53.19,76.95 55.82,76.95 56.06,76.71 56.06,76.49 56.1,76.49 56.21,76.38 56.77,76.38 v1(56.78,76.39) ; v1(52.98,70.63) 52.98,70 52.63,69.65 52.63,69.33 51.3,68 51.3,55.5 50.91,55.11 47.6,55.11 46.25,53.76 46.25,44.91 46.17,44.83 46.17,43 46.25,42.91 46.25,27.37 45.47,26.59 v1(44.29,26.59) ; v1(50.39,84.51) 50.39,83.57 50.59,83.37 51.19,83.37 51.95,82.61 51.95,76.32 53.62,74.65 56.34,74.65 59.96,71.03 60.76,71.03 61.88,69.91 v1(61.88,69.04) ; v1(65.52,69.8) 65.52,67.81 65.21,67.5 65.21,51.7 v1(68.12,48.79) ; v1(87.38,10.68) 86.8,11.26 86.8,13.99 85.89,14.9 81.11,14.9 79.72,16.29 75.44,16.29 75.05,16.68 61.56,16.68 58.05,13.17 v1(58.05,10.41) ; v1(26.99,101.67) 27.94,100.72 27.94,95.82 28.47,95.29 28.47,89.3 28.97,88.8 28.97,86.34 27.26,84.63 25.99,84.63 v1(25.49,85.13) ; v5(97.79,20.21) 98.08,20.5 98.49,20.5 98.65,20.34 99.52,20.34 99.68,20.18 99.68,14.92 98.56,13.8 96.55,13.8 94.51,11.76 91.1,11.76 90.87,11.98 88.76,11.98 88.02,12.72 88.02,13.92 86.69,15.25 83,15.25 81.94,16.31 80.4,16.31 80.04,16.67 75.69,16.67 75.32,17.04 47.54,17.04 v1(46.91,16.41) ; v1(50.03,46.16) 50.09,46.22 50.09,51.55 52.26,53.72 52.26,64.3 53.05,65.09 56.78,65.09 56.78,65.08 57.05,65.08 58.63,66.66 58.63,67.9 58.15,68.38 57.1,68.38 56.56,68.92 56.56,69.42 56.97,69.83 v1(56.97,69.94) ; v1(42.75,86.56) 42.75,82.38 44.43,80.7 44.43,77.6 43.38,76.55 43.38,57.14 40.37,54.13 40.37,40.06 43.5,36.93 43.5,35.11 40.39,32 40.39,30.27 41.21,29.45 41.21,25.72 42.32,24.61 43.13,24.61 43.45,24.93 43.45,25.72 43.12,26.05 v1(43.12,26.67) ; v1(3.64,80.13) 1.95,78.44 1.95,76.66 4.24,74.37 4.24,72.32 5.87,70.69 5.87,50.89 8.5,48.26 8.5,41.13 8.93,40.7 v1(8.93,40.63) ; v1(50.18,87.05) 50.2,87.07 52.27,87.07 52.55,87.35 55.37,87.35 56.05,86.67 56.05,84.05 56.65,83.45 59.16,83.45 66.76,75.85 66.76,68.75 67.76,67.75 67.76,67.09 66.13,65.46 66.13,61.42 69.05,58.5 76.14,58.5 77.43,57.21 77.43,54.7 78.02,54.11 78.02,50.67 77.45,50.1 77.45,45.63 79.07,44.01 107.86,44.01 109.03,42.84 110.97,42.84 112.18,41.63 115.94,41.63 116.98,42.67 119.43,42.67 119.43,42.66 120.76,41.33 120.76,38.68 122.26,37.18 122.26,36.61 123.27,35.6 124.27,35.6 125.14,34.73 125.14,31.73 v3(124.64,31.23) ; v1(34.46,44.96) 36.22,46.72 36.22,50.76 37.65,52.19 37.65,59.59 36.85,60.39 v1(36.85,60.43) ; v1(38.67,28.63) 38.32,28.63 35.03,25.34 35.03,20.85 35.55,20.33 v1(35.87,20.33) ; v1(46.01,76.82) 46.7,76.82 47.26,76.26 47.26,62.1 46.35,61.19 45.29,61.19 43.82,59.72 43.82,56.4 40.6,53.18 40.6,40.27 43.98,36.89 43.98,35.2 41.27,32.49 41.27,29.77 41.45,29.59 41.45,26.37 42.44,25.38 v1(43.01,25.38) ; v1(101.84,7.87) 101.21,7.87 100.81,7.47 100.81,5.54 100.09,4.82 100.07,4.82 100.05,4.84 89.08,4.84 88.22,3.98 v1(88.22,2.81) ; v1(13.13,72.84) 12.85,72.84 12.35,72.34 12.35,57.77 14.09,56.03 14.09,41.82 14.53,41.38 14.53,31.62 14.28,31.37 14.28,30.86 14.58,30.56 14.58,23.81 14.15,23.38 14.15,19.76 v1(14.58,19.33) ; v3(142.6,46.22) 141.59,46.22 141.58,46.21 141.52,46.21 141.21,45.9 141.21,40.9 140.14,39.83 140.14,35.14 140.45,34.83 140.45,29.8 139.72,29.07 136.97,29.07 136.34,28.44 v3(136.34,28.27) ; v5(120.82,19.36) 121.62,18.56 121.62,17.97 122.47,17.12 124.22,17.12 125.98,18.88 126.29,18.88 126.3,18.89 140.41,18.89 141.91,20.39 141.91,23.18 142.25,23.52 142.25,24.63 141.93,24.95 141.93,37.37 v3(142.84,38.28) ; v5(124.33,33.69) 123.52,33.69 121.74,35.47 121.74,37.05 120.59,38.2 120.59,41.11 119.24,42.46 117.71,42.46 116.09,40.84 113.27,40.84 112.7,40.27 104.74,40.27 102.63,42.38 102.63,43.09 101.88,43.84 78.84,43.84 77.27,45.41 77.27,50.27 77.8,50.8 77.8,54 77.23,54.57 77.23,57.06 75.93,58.36 68.91,58.36 65.96,61.31 65.96,66.26 v1(67.15,67.45) ; v1(55.52,85.38) 55.52,84.28 56.53,83.27 58.98,83.27 65.96,76.29 65.96,73.7 66.44,73.22 66.44,67.51 65.76,66.83 65.76,61.23 68.77,58.22 75.79,58.22 77.06,56.95 77.06,54.57 76.75,54.26 76.75,51.3 77.08,50.97 77.08,45.3 78.67,43.71 100.87,43.71 101.05,43.53 101.05,42.4 100.46,41.81 100.46,32.15 102.31,30.3 105.77,30.3 109.19,26.88 109.19,17.11 108.06,15.98 106.71,15.98 106.12,15.39 106.12,14.22 v3(106.91,13.43) ; v1(14.07,100.36) 14.07,98.77 12.91,97.61 7.43,97.61 1.27,91.45 1.27,76.23 2.86,74.64 3.53,74.64 3.77,74.4 3.77,72.36 5.67,70.46 5.67,48.8 7.18,47.29 7.18,40.82 6.44,40.08 v1(4.66,40.08) ; v1(6.74,81.29) 6.74,80.18 8.38,78.54 16.07,78.54 19.24,75.37 19.24,57.96 23.54,53.66 v1(23.54,44.12) ; v1(31.83,32.73) 31.6,32.73 31.01,33.32 31.01,36.59 32.13,37.71 34.5,37.71 34.97,38.18 34.97,39.92 33.97,40.92 33.97,50.49 37.28,53.8 37.28,58.5 36.54,59.24 36.54,62.37 37.84,63.67 37.84,73.28 35.66,75.46 35.29,75.46 34.96,75.79 34.96,76.59 35.19,76.82 40.33,76.82 40.33,76.79 v1(41.16,75.96) ; v3(105.8,13.35) 105.19,12.74 104.26,12.74 103.7,13.31 101.64,13.31 101.64,13.3 101.59,13.3 100.77,14.12 100.77,19.86 100.05,20.58 100.05,21.52 100.07,21.53 98.42,23.18 98.42,34.38 97.79,35.01 97.79,38.84 97.32,39.31 95.44,39.31 92.67,42.08 76.11,42.08 76.11,42.07 75.72,42.07 74.92,42.87 74.92,46.64 73.93,47.63 71.2,47.63 68.58,50.25 67.21,50.25 65.44,52.02 65.44,67.07 66.15,67.78 66.15,73.07 65.58,73.64 65.58,76.24 58.81,83.01 56.29,83.01 55.37,83.93 55.37,84.63 55.11,84.89 55.11,85.87 54.86,86.12 53.11,86.12 v1(52.62,86.61) ; v1(45.61,29.21) 45.55,29.21 45.06,29.7 45.06,55.55 45.77,56.26 50.52,56.26 51.12,56.86 51.12,68.35 51.24,68.47 v1(51.24,69.17)